# Altium PCB PCB1.PcbDoc
Units mm, origin at the board's own origin, x right, y up, seen from the top; angles counter-clockwise.
Board outline 167.5 x 117.5 mm, 2 copper layers (Top Layer, Bottom Layer); 32 components, 33 nets, 161 pads, 0 vias.
Unrouted connection lines stored in the file: 8.
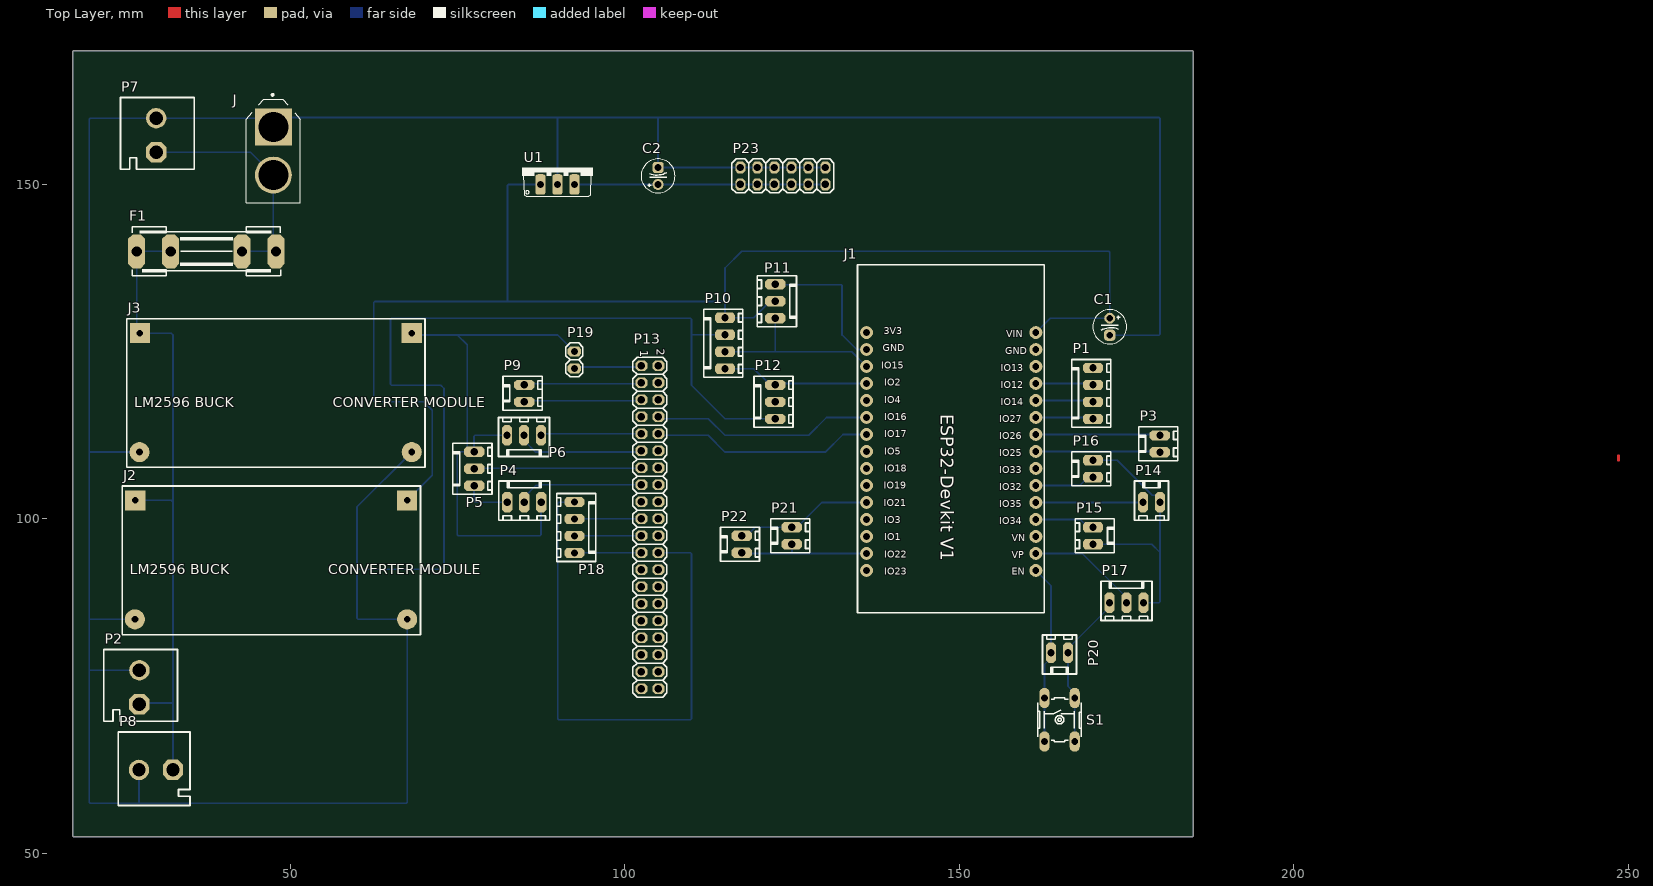
[diagram p0: Top Layer view]
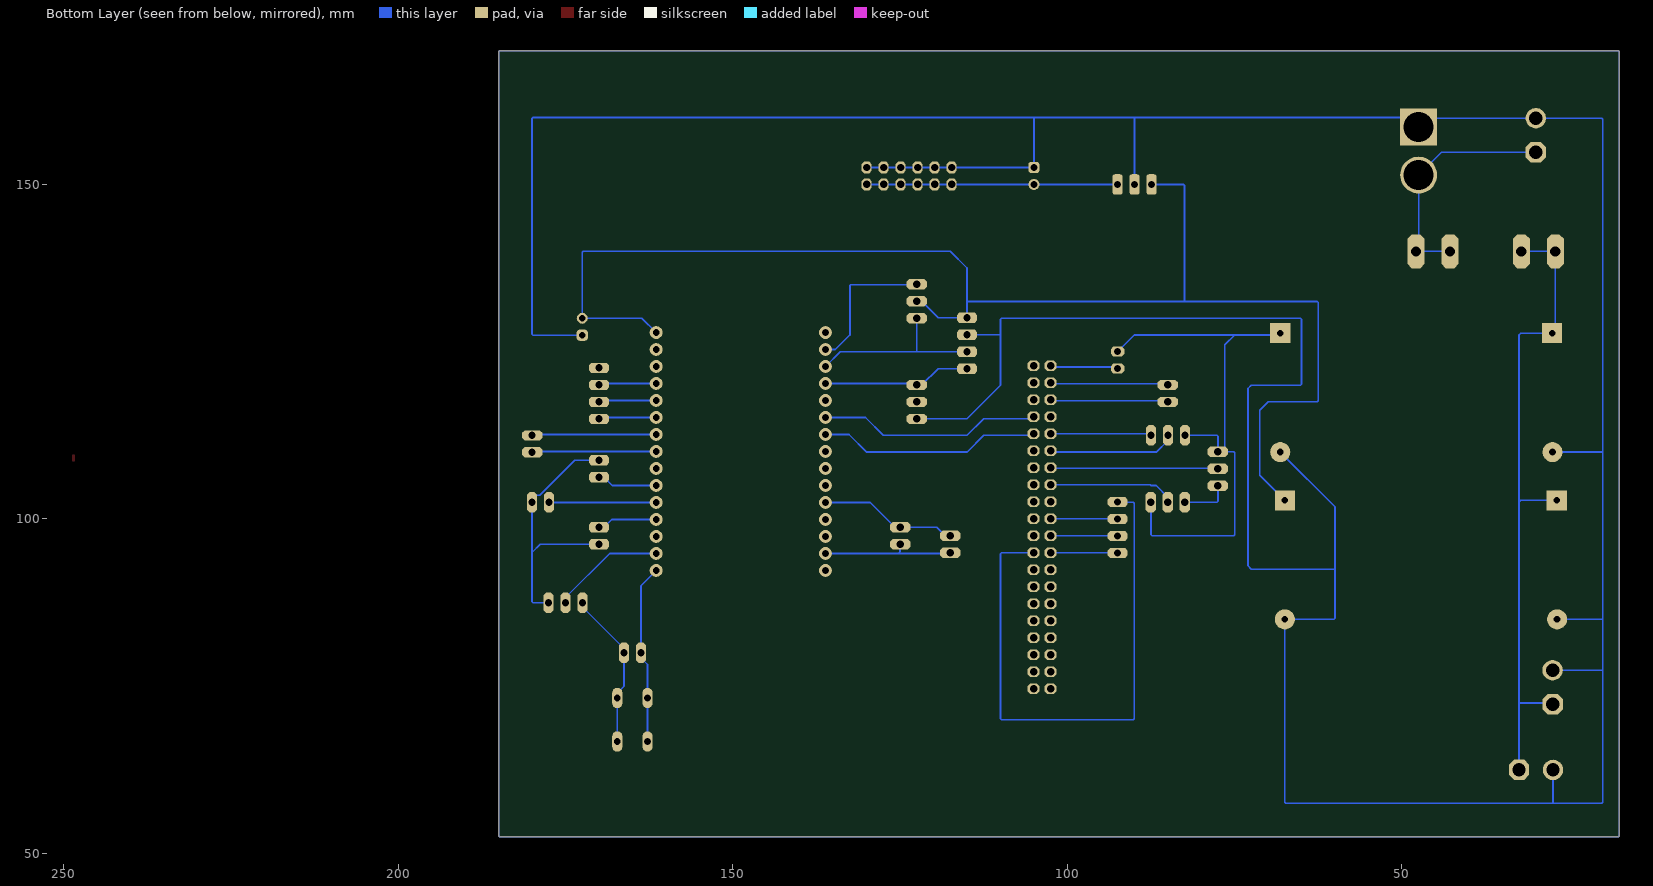
[diagram p1: Bottom Layer view, seen from below]

## Layer stack, top to bottom
Top Solder: solder mask 0.0102, Solder Resist, Dk 3.5
Top Layer: signal copper 0.0356
Dielectric 1: dielectric 0.32, FR-4, Dk 4.8
Bottom Layer: signal copper 0.0356
Bottom Solder: solder mask 0.0102, Solder Resist, Dk 3.5

## Board outline
17.5,52.649 17.5,169.851 17.649,170 184.851,170 185,169.851 185,52.649 184.851,52.5 17.649,52.5

## Design rules (kind name [scope] priority, off if disabled: settings)
Clearance [All] p1: gap=0.254 ignorepadtopadclearanceinfootprint=FALSE except(0: Arc-Hole Track-Hole SMDPad-Hole THPad-Hole Via-Hole Fill-Hole Poly-Hole Region-Hole Text-Hole)
PolygonConnect [All] p1: connectstyle=Relief reliefconductorwidth=0.254 reliefentries=4 polygonreliefangle="90 Angle" airgapwidth=0.254
RoutingVias [All] p1: holewidth=0.711 width=1.27 viastyle="Through Hole" minholewidth=0.711 minwidth=1.27 maxholewidth=0.711 maxwidth=1.27
SolderMaskExpansion [All] p1: expansion=0.102 istentingtop=FALSE
Width [All] p1: maxlimit=0.254 minlimit=0.254 preferedwidth=0.254
30 further rules are at their usual default settings.

## Components (designator, comment, footprint, x,y, rotation, side; value= is the part's Value field where it differs from the comment)
C1 "1000uF" SELF_CAP_THT5MM 172.5,128.73 r270 top
C2 "1000uF" SELF_CAP_THT5MM 105,151.27 r90 top
F1 "Normal fuse" MY_FUSE 37.5,140 r0 top
J "XT60-M" AMASS_XT60-M 47.5,155 r270 top
J1 "ESP32DEVKITV1" ESP32-DEVKITV1 150,105 r270 top
J2 "LM2576T Buck/Boost Convertor" "LM2596 MODULE" 26.816,102.78 r270 top
J3 "LM2576T Buck/Boost Convertor" "LM2596 MODULE" 27.5,127.78 r270 top
P1 "Header 4" MY_6410-04 170,118.77 r90 top
P2 "Header 2" My_CN2 27.5,75 r90 top
P3 "Header 2" MY_6410-02 180,111.23 r90 top
P4 "Header 3" MY_6410-03 85,102.5 r0 top
P5 "Header 3" MY_6410-03 77.5,107.5 r90 top
P6 "Header 3" MY_6410-03 84.96,112.5 r180 top
P7 "Header 2" My_CN2 30,157.5 r90 top
P8 "Header 2" My_CN2 29.82,62.513 r180 top
P9 "Header 2" MY_6410-02 85,118.77 r90 top
P10 "Header 4" MY_6410-04 115,126.27 r90 top
P11 "Header 3" MY_6410-03 122.5,132.54 r270 top
P12 "Header 3" MY_6410-03 122.5,117.5 r90 top
P13 "Header 20X2" MY_2X20 103.745,98.77 r270 top
P14 "Header 2" MY_6410-02 178.73,102.5 r0 top
P15 "Header 2" MY_6410-02 170,97.5 r270 top
P16 "Header 2" MY_6410-02 170,107.5 r90 top
P17 "Header 3" MY_6410-03 175,87.5 r0 top
P18 "Header 4" MY_6410-04 92.5,98.73 r270 top
P19 "Header 2" My_1X02 92.5,122.5 r270 top
P20 "Header 2" MY_6410-02 165,80 r180 top
P21 "Header 2" MY_6410-02 125,97.5 r90 top
P22 "Header 2" MY_6410-02 117.5,96.23 r90 top
P23 "Header 6X2" My_2X06 123.65,151.27 r0 top
S1 "PUSH BUTTON (TAC-SWITCH)" SELF_TACTILE_THT 165,70 r90 top
U1 "Voltage Regulator" SELF_LM7805_THT 89.96,152.54 r0 top

## Footprints (in the part's own frame and the unit in brackets; to place one, negate y for a bottom-side part, rotate by r counter-clockwise, add the part's x,y. Pads: shape width x height; smd on the part's side, far side on the other; paste and mask are expansions set on the pad)
AMASS_XT60-M [mm]
  rect 5.516x5.516 hole 4.5: 1(-3.6,0)
  round 5.516 hole 4.5: 2(3.6,0)
  silkscreen extent -8.55,-4.05 7.75,4.05, body extent -7.75,-4.05 7.75,4.05, height 16.01
ESP32-DEVKITV1 [mm]
  round 1.93 hole 1: 1(-22.87,-13.845) 2(-20.33,-13.845) 3(-17.79,-13.845) 4(-15.25,-13.845) 5(-12.71,-13.845) 6(-10.17,-13.845) 7(-7.63,-13.845) 8(-5.09,-13.845) 9(-2.55,-13.845) 10(-0.01,-13.845) 11(2.53,-13.845) 12(5.07,-13.845) 13(7.61,-13.845) 14(10.15,-13.845) 15(12.69,-13.845) 16(12.69,11.459) 17(10.15,11.459) 18(7.61,11.459) 19(5.07,11.459) 20(2.53,11.459) 21(-0.01,11.459) 22(-2.55,11.459) 23(-5.09,11.459) 24(-7.63,11.459) 25(-10.17,11.459) 26(-12.71,11.459) 27(-15.25,11.459) 28(-17.79,11.459) 29(-20.33,11.459) 30(-22.87,11.459)
  silkscreen extent -33,-15.2 19,12.7, body extent -32.9,-15.39 18.03,13.11, height 6.81
"LM2596 MODULE" [mm]
  rect 3x3 hole 1: 1(0,0.044) 4(0,40.684)
  round 3 hole 1: 2(17.78,0) 3(17.78,40.684)
  silkscreen extent -2.16,-1.91 20.07,42.67, body extent -1.74,-1.44 19.56,42.16, height 16.8
My_1X02 [mil]
  oct 60x80 hole 43.31: 1(-100,0) 2(0,0)
  silkscreen extent -150,-50 50,50, body extent -150,-51 46,47, height 323
My_2X06 [mil]
  oct 60x70 hole 43.31: 1(-250,-50) 2(-250,50) 3(-150,-50) 4(-150,50) 5(-50,-50) 6(-50,50) 7(50,-50) 8(50,50) 9(150,-50) 10(150,50) 11(250,-50) 12(250,50)
  silkscreen extent -300,-100 300,100, body extent -300,-100 300,100, height 335
MY_2X20 [mil]
  oct 60x70 hole 43.31: 1(-950,-49) 2(-950,51) 3(-850,-49) 4(-850,51) 5(-750,-49) 6(-750,51) 7(-650,-49) 8(-650,51) 9(-550,-49) 10(-550,51) 11(-450,-49) 12(-450,51) 13(-350,-49) 14(-350,51) 15(-250,-49) 16(-250,51) 17(-150,-49) 18(-150,51) 19(-50,-49) 20(-50,51) 21(50,-49) 22(50,51) 23(150,-49) 24(150,51) 25(250,-49) 26(250,51) 27(350,-49) 28(350,51) 29(450,-49) 30(450,51) 31(550,-49) 32(550,51) 33(650,-49) 34(650,51) 35(750,-49) 36(750,51) 37(850,-49) 38(850,51) 39(950,-49) 40(950,51)
  silkscreen extent -1000,-99 1000,101, body extent -1000,-100 1000,100, height 336
MY_6410-02 [mil]
  oct 60x120 hole 43.31: 1(50,0) 2(-50,0)
  silkscreen extent -100,-105 100,125, body extent -102,-102 99,126, height 449
MY_6410-03 [mil]
  oct 60x120 hole 43.31: 1(100,0) 2(0,0) 3(-100,0)
  silkscreen extent -150,-105 150,125, body extent -152,-102 152,126, height 449
MY_6410-04 [mil]
  oct 60x120 hole 43.31: 1(150,0) 2(50,0) 3(-50,0) 4(-150,0)
  silkscreen extent -200,-105 200,125, body extent -201,-102 201,126, height 449
My_CN2 [mil]
  oct 120x120 hole 78.74: 1(-105.5,0.5)
  round 120 hole 78.74: 2(94.5,0.5)
  silkscreen extent -206,-223 216,210, body extent -203,-227 219,214, height 721
MY_FUSE [mm]
  oct 2.54x5.08 hole 1.5: 1(-10.414,0) 1(-5.334,0) 2(5.334,0) 2(10.414,0)
  silkscreen extent -11.07,-3.68 11.1,3.68, body extent -10.57,-3.88 10.68,3.83, height 10.96
SELF_CAP_THT5MM [mil]
  round 65 hole 40: +(-50,0)
  rrect50% 65x65 hole 40: -(50,0)
  silkscreen extent -100,-100 100,100, body extent -98,-98 98,98, height 395
SELF_LM7805_THT [mil]
  rrect50% 60x120 hole 40: 1(-100,-100) 2(0,-100) 3(100,-100)
  silkscreen extent -210,-170 210,0, body extent -204,-189 202,-59, height 890
SELF_TACTILE_THT [mil]
  oval 120x60 hole 39.37: 1(-128,89) 1(128,89) 2(-128,-89) 2(128,-89)
  silkscreen extent -130,-127 130,127, body extent -152,-118 152,118, height 197

## Part data
C1 C2: library part "CAPACITOR (ELECTROLYTIC)", volt=25V
F1: library part Fuse, ASiD Part Number=Fuse-AS
J: "Plug; DC supply; XT60; male; PIN: 2; for cable; soldered; 30A; 500V", Package="Package Analog Devices", Availability=Unavailable, MF=AMASS, MP=XT60-M, Price=None, SnapEDA_Link=https://www.snapeda.com/parts/XT60-M/AMASS/view-part/2883912/?ref=snap
J1: "Dual core, Wi-Fi: 2.4 GHz up to 150 Mbits/s,BLE (Bluetooth Low Energy) and legacy Bluetooth, 32 bits, Up to 240 MHz", Package=Package, Availability="No availability data", Check_prices=https://www.snapeda.com/parts/ESP32%20DEVKIT%20V1/Do%20it/view-part/5659245/?ref=eda, MF="Do it", MP="ESP32 DEVKIT V1", Price=None, SnapEDA_Link=https://www.snapeda.com/parts/ESP32%20DEVKIT%20V1/Do%20it/view-part/5659245/?ref=snap
P1: "motor driver control pin", ASiD Part Number="Header 4-AS"
P2: "motor driver power", ASiD Part Number="Header 2-AS"
P3: "motor encoder", ASiD Part Number="Header 2-AS"
P4: "PROXIMITY SENSOR 1", ASiD Part Number="Header 3-AS"
P5: "PROXIMITY SENSOR 2", ASiD Part Number="Header 3-AS"
P6: "PROXIMITY SENSOR 3", ASiD Part Number="Header 3-AS"
P7: "power in", ASiD Part Number="Header 2-AS"
P8: "led supply", ASiD Part Number="Header 2-AS"
P9: "i2c port for future use.Raspberry pi 2b.", ASiD Part Number="Header 2-AS"
P10: "SORTING MECHANISM for uln2003", ASiD Part Number="Header 4-AS"
P11: "SORTING MECHANISM -servo motor 1", ASiD Part Number="Header 3-AS"
P12: "SORTING MECHANISM -servo motor 2", ASiD Part Number="Header 3-AS"
P13: "rasbery pi 2 b connector", ASiD Part Number="Header 20X2-AS"
P14: "manual control switch2", ASiD Part Number="Header 2-AS"
P15: "manual control switch3", ASiD Part Number="Header 2-AS"
P16: "manual control switch1", ASiD Part Number="Header 2-AS"
P17: "manual control - speed", ASiD Part Number="Header 3-AS"
P18: "SPI for future use. raspberry pi 2b", ASiD Part Number="Header 4-AS"
P19: "selection of pi 3.3v power out", ASiD Part Number="Header 2-AS"
P20: "EXTERNAL RESET", ASiD Part Number="Header 2-AS"
P21: "I2C of esp32 port 1", ASiD Part Number="Header 2-AS"
P22: "I2C of esp32 port 2", ASiD Part Number="Header 2-AS"
P23: "Header, 12-Pin, Dual row", ASiD Part Number="Header 6X2-AS"
U1: library part LM7805, "+5v voltage regulator"

## Nets (pads, with @x,y where several pads share a name; then routed paths per layer and width w, separated by ;. In a path a pad name is that pad's centre, name@x,y a point inside that pad or via, vN(x,y) a via of type N, cw(c..) or ccw(c..) an arc to the next point about the centre after c; other vN are vias at no path point)
+3.3: J3.4 P4.1 P5.1 P6.1 P14.1 P15.1 P16.1 P17.1 P19.1 | length 124.4
  Bottom Layer w0.254: J3.4 68.464,127.5 75,127.5 ; P6.1 77.649,112.5 77.5,112.351 P5.1 P5.1@77.119,110.04 ; P4.1 87.5,102.46 87.5,97.649 87.351,97.5 75.149,97.5 75,97.649 75,109.891 75.149,110.04 P5.1@77.119,110.04 ; P19.1 92.46,125.04 90,127.5 75,127.5 ; P15.1 178.77,96.23 180,95 ; P16.1 173.634,108.77 178.857,103.547 179.365,103.547 P14.1@180,102.912 ; P17.1 179.851,87.5 180,87.649 180,95 ; P14.1@180,103.262 P14.1@180,102.912 ; 75,127.5 76.484,126.016 76.484,110.675 P5.1@77.119,110.04 ; 180,95 P14.1 P14.1@180,102.912
+5: C2.+ P23.1 P23.3 P23.5 P23.7 P23.9 P23.11 U1.3 | length 37.5
  Bottom Layer w0.254: U1.3 C2.+ P23.1 P23.3 P23.5 P23.7 P23.9 P23.11
+12: F1.1 J2.1 J3.1 P2.1 P8.1 | length 98.4
  Bottom Layer w0.254: J2.1 32.22,102.78 32.5,102.5 ; P2.1 27.667,72.5 32.5,72.5 ; F1.1@32.166,140 27.086,140 27.086,128.238 J3.1 32.22,127.78 32.5,127.5 32.5,102.5 ; P8.1 32.5,72.5 ; 32.5,72.5 32.5,102.5
CE0: P13.24 P18.4 | length 84.6
  Bottom Layer w0.254: P18.4 92.46,102.5 90.149,102.5 90,102.351 90,70.149 90.149,70 109.851,70 110,70.149 110,94.811 109.851,94.96 P13.24
EJECT/REJECT: J1.19 P15.2 | length 9
  Bottom Layer w0.254: J1.19 168.078,99.93 169.238,98.77 P15.2
ENCODER1: J1.24 P3.1 | length 18.6
  Bottom Layer w0.254: J1.24 179.87,112.63 P3.1
ENCODER2: J1.23 P3.2 | length 18.6
  Bottom Layer w0.254: J1.23 179.87,110.09 P3.2
ESCL: J1.14 P21.2 P22.2 | length 20.2
  Bottom Layer w0.254: P22.2 117.61,94.85 125.299,94.85 ; P21.2 125,95.149 125.299,94.85 ; J1.14 125.299,94.85
ESDA: J1.11 P21.1 P22.1 | length 20.7
  Bottom Layer w0.254: P22.1 118.262,97.5 119.532,98.77 P21.1 125.762,98.77 129.462,102.47 J1.11
GND: C1.- C2.- J1.2 J2.2 J2.3 J3.2 J3.3 J.1 P2.2 P4.3 P5.3 P6.3 P7.2 P8.2 P10.2 P11.3 P12.3 P13.9 P13.39 P17.3 P20.2 P23.2 P23.4 P23.6 P23.8 P23.10 P23.12 S1.2 U1.2 | length 683.7
  Bottom Layer w0.254: J2.2 20,85 ; P8.2 27.42,57.58 27.5,57.5 ; P2.2 20.1,77.4 20,77.5 ; J3.2 20,110 ; J3.3 60,101.816 60,92.5 ; P5.3 77.5,102.649 77.649,102.5 P4.3 ; P6.3 87.74,112.74 P13.9 ; U1.2 89.96,159.96 90,160 ; P10.2 110.149,127.54 110,127.391 ; P12.3 122.46,115 115,115 110,120 110,127.391 ; P11.3 122.58,135 132.351,135 132.5,134.851 132.5,127.5 134.67,125.33 J1.2 ; P23.12 P23.10 P23.8 P23.6 P23.4 P23.2 C2.- 105,160 ; S1.2@167.261,66.749 167.261,73.251 167.261,74.013 166.27,75.004 P20.2 166.27,80.655 172.46,86.845 P17.3 ; C1.- 179.851,127.46 180,127.609 180,159.851 179.851,160 105,160 ; 20,77.5 20,85 ; 20,77.5 20,57.649 20.149,57.5 27.5,57.5 ; 20,85 20,110 ; 20,110 20,159.752 20.149,159.9 P7.2 46.2,159.9 J.1 48.9,160 90,160 ; 27.5,57.5 67.351,57.5 67.5,57.649 J2.3 60.149,85 60,85.149 60,92.5 ; 60,92.5 72.5,92.5 73.008,93.008 73.008,119.492 72.5,120 65.149,120 65,120.149 65,129.851 65.149,130 109.851,130 110,129.851 110,127.391 ; 90,160 105,160
IN-1: J1.27 P1.2 | length 8.6
  Bottom Layer w0.254: J1.27 169.79,120.25 P1.2
IN-2: J1.25 P1.4 | length 8.6
  Bottom Layer w0.254: J1.25 169.79,115.17 P1.4
LEFT: J1.21 P16.2 | length 9
  Bottom Layer w0.254: J1.21 168.018,105.01 169.238,106.23 P16.2
MISO: P13.21 P18.2 | length 10.1
  Top Layer w0.254: P18.2 P18.2@92.52,97.48 ; P13.21@102.48,97.48 P13.21
  Bottom Layer w0.254: P18.2 92.52,97.48 102.48,97.48 P13.21
MOSI: P13.19 P18.3 | length 10.1
  Top Layer w0.254: P18.3 P18.3@92.52,100.02 ; P13.19@102.48,100.02 P13.19
  Bottom Layer w0.254: P18.3 92.52,100.02 102.48,100.02 P13.19
MotorENA: J1.28 P1.1
PI3.3OUT: P13.1 P19.2 | length 10.2
  Bottom Layer w0.254: P19.2 92.7,122.7 102.3,122.7 P13.1
PWM: J1.26 P1.3 | length 8.6
  Bottom Layer w0.254: J1.26 169.79,117.71 P1.3
PWM1: J1.3 P10.3 P11.1 | length 27.1
  Bottom Layer w0.254: P10.3 122.5,125 ; P11.1 122.5,125 ; J1.3 133.945,125 122.5,125
PWM2: J1.4 P10.4 P12.1 | length 22.2
  Bottom Layer w0.254: P10.4 119.318,122.46 121.738,120.04 P12.1 122.71,120.25 J1.4
RESET: J1.16 P20.1 S1.1 | length 26.9
  Bottom Layer w0.254: J1.16 163.73,90.039 P20.1 163.73,79.238 162.739,78.247 162.739,73.251 S1.1@162.739,66.749
RIGHT: J1.20 P14.2 | length 16
  Bottom Layer w0.254: J1.20 177.43,102.47 P14.2
RX_TX: J1.7 P13.10 | length 33.3
  Bottom Layer w0.254: P13.10 105.28,112.5 112.5,112.5 115,110 130,110 132.63,112.63 J1.7
SCL: P9.2 P13.5 | length 17.6
  Bottom Layer w0.254: P9.2 85.16,117.66 102.34,117.66 P13.5
SCLK: P13.23 P18.1 | length 10.1
  Top Layer w0.254: P18.1 P18.1@92.52,94.94 ; P13.23@102.48,94.94 P13.23
  Bottom Layer w0.254: P18.1 92.52,94.94 102.48,94.94 P13.23
SDA: P9.1 P13.3 | length 17.6
  Bottom Layer w0.254: P9.1 85.16,120.2 102.34,120.2 P13.3
SIGNAL1: P4.2 P13.15 | length 19
  Bottom Layer w0.254: P4.2 85,103.262 86.738,105 87.5,105 87.62,105.12 P13.15
SIGNAL2: P5.2 P13.13 | length 25.1
  Bottom Layer w0.254: P5.2 77.58,107.58 102.42,107.58 P13.13
SIGNAL3: P6.2 P13.11 | length 19.1
  Bottom Layer w0.254: P6.2 84.96,111.738 86.698,110 102.3,110 P13.11
SPEED: J1.17 P17.2 | length 17
  Bottom Layer w0.254: J1.17 168.412,94.85 175,88.262 P17.2
TX_RX: J1.6 P13.8 | length 33.4
  Bottom Layer w0.254: P13.8 105.32,115 112.5,115 115,112.5 127.5,112.5 130.17,115.17 J1.6
VCC: F1.2 J.2 P7.1 | length 35.6
  Bottom Layer w0.254: P7.1 44.08,154.82 J.2 47.5,140.414 47.914,140 F1.2@42.834,140
VIN: C1.+ J1.30 J2.4 P10.1 P11.2 P12.2 U1.1 | length 210.3
  Bottom Layer w0.254: J2.4 71.25,106.53 71.25,116.25 70,117.5 62.649,117.5 62.5,117.649 62.5,132.351 62.649,132.5 82.5,132.5 ; U1.1 82.649,150 82.5,149.851 82.5,132.5 ; P11.2 121.738,132.54 119.278,130.08 P10.1 115,132.5 ; J1.30 163.589,130 C1.+ 172.5,139.851 172.351,140 117.5,140 115,137.5 115,132.5 ; 82.5,132.5 115,132.5
pads on no net: J1.1 J1.5 J1.8 J1.9 J1.10 J1.12 J1.13 J1.15 J1.18 J1.22 J1.29 P13.2 P13.4 P13.6 P13.7 P13.12 P13.14 P13.16 P13.17 P13.18 P13.20 P13.22 P13.25 P13.26 P13.27 P13.28 P13.29 P13.30 P13.31 P13.32 P13.33 P13.34 P13.35 P13.36 P13.37 P13.38 P13.40
copper on no net: | length 571.7
  Top Layer w0.254: 248.412,108.712 248.666,108.712 248.666,109.474 248.412,109.474 248.412,108.712
  Bottom Layer w0.254: 17.5,52.649 17.5,169.851 17.649,170 184.851,170 185,169.851 185,52.649 184.851,52.5 17.649,52.5 17.5,52.649

## Text inside footprints (layer, text, board x,y; h text height)
J1: Top Overlay "3V3" at 138.697,127.606 h1.02; Top Overlay "GND" at 138.57,125.038 h1.02; Top Overlay "IO15" at 138.316,122.469 h1.02; Top Overlay "IO2" at 138.8,119.901 h1.02; Top Overlay "IO4" at 138.8,117.333 h1.02; Top Overlay "IO16" at 138.8,114.765 h1.02; Top Overlay "IO17" at 138.8,112.196 h1.02; Top Overlay "IO5" at 138.8,109.628 h1.02; Top Overlay "IO18" at 138.824,107.06 h1.02; Top Overlay "IO19" at 138.697,104.491 h1.02; Top Overlay "IO21" at 138.697,101.923 h1.02; Top Overlay "IO3" at 138.8,99.355 h1.02; Top Overlay "IO1" at 138.8,96.787 h1.02; Top Overlay "IO22" at 138.8,94.218 h1.02; Top Overlay "IO23" at 138.8,91.65 h1.02; Top Overlay "VIN" at 157.028,127.19 h1.02; Top Overlay "GND" at 156.858,124.65 h1.02; Top Overlay "IO13" at 156.181,122.11 h1.02; Top Overlay "IO12" at 156.181,119.57 h1.02; Top Overlay "IO14" at 156.181,117.03 h1.02; Top Overlay "IO27" at 156.012,114.49 h1.02; Top Overlay "IO26" at 156.012,111.95 h1.02; Top Overlay "IO25" at 156.012,109.41 h1.02; Top Overlay "IO33" at 156.012,106.87 h1.02; Top Overlay "IO32" at 156.012,104.33 h1.02; Top Overlay "IO35" at 156.012,101.79 h1.02; Top Overlay "IO34" at 156.012,99.25 h1.02; Top Overlay "VN" at 157.874,96.71 h1.02; Top Overlay "VP" at 157.874,94.17 h1.02; Top Overlay "EN" at 157.874,91.63 h1.02; Top Overlay "ESP32-Devkit V1" at 147.206,115.668 h1.93 r270; Mechanical 13 "ESP32-DEVKITV1" at 132.76,100 h1.27 r270
J2: Top Overlay "LM2596 BUCK                      CONVERTER MODULE" at 26.061,91.731 h1.52
J3: Top Overlay "LM2596 BUCK                      CONVERTER MODULE" at 26.745,116.731 h1.52
P13: Top Overlay "1" at 101.89,125.237 h2.03 r270; Top Overlay "2" at 104.329,125.415 h2.03 r270